# Altium PCB Version_2.PcbDoc (part 3 of 6)
Units mil, origin at the board's own origin, x right, y up, seen from the top; angles counter-clockwise.
Board outline 6692.91 x 6692.91 mil, 4 copper layers (Component Side, Ground Plane, Power, Solder Side), stack 33.234 mil thick; 798 components, 528 nets, 2533 pads, 836 vias.
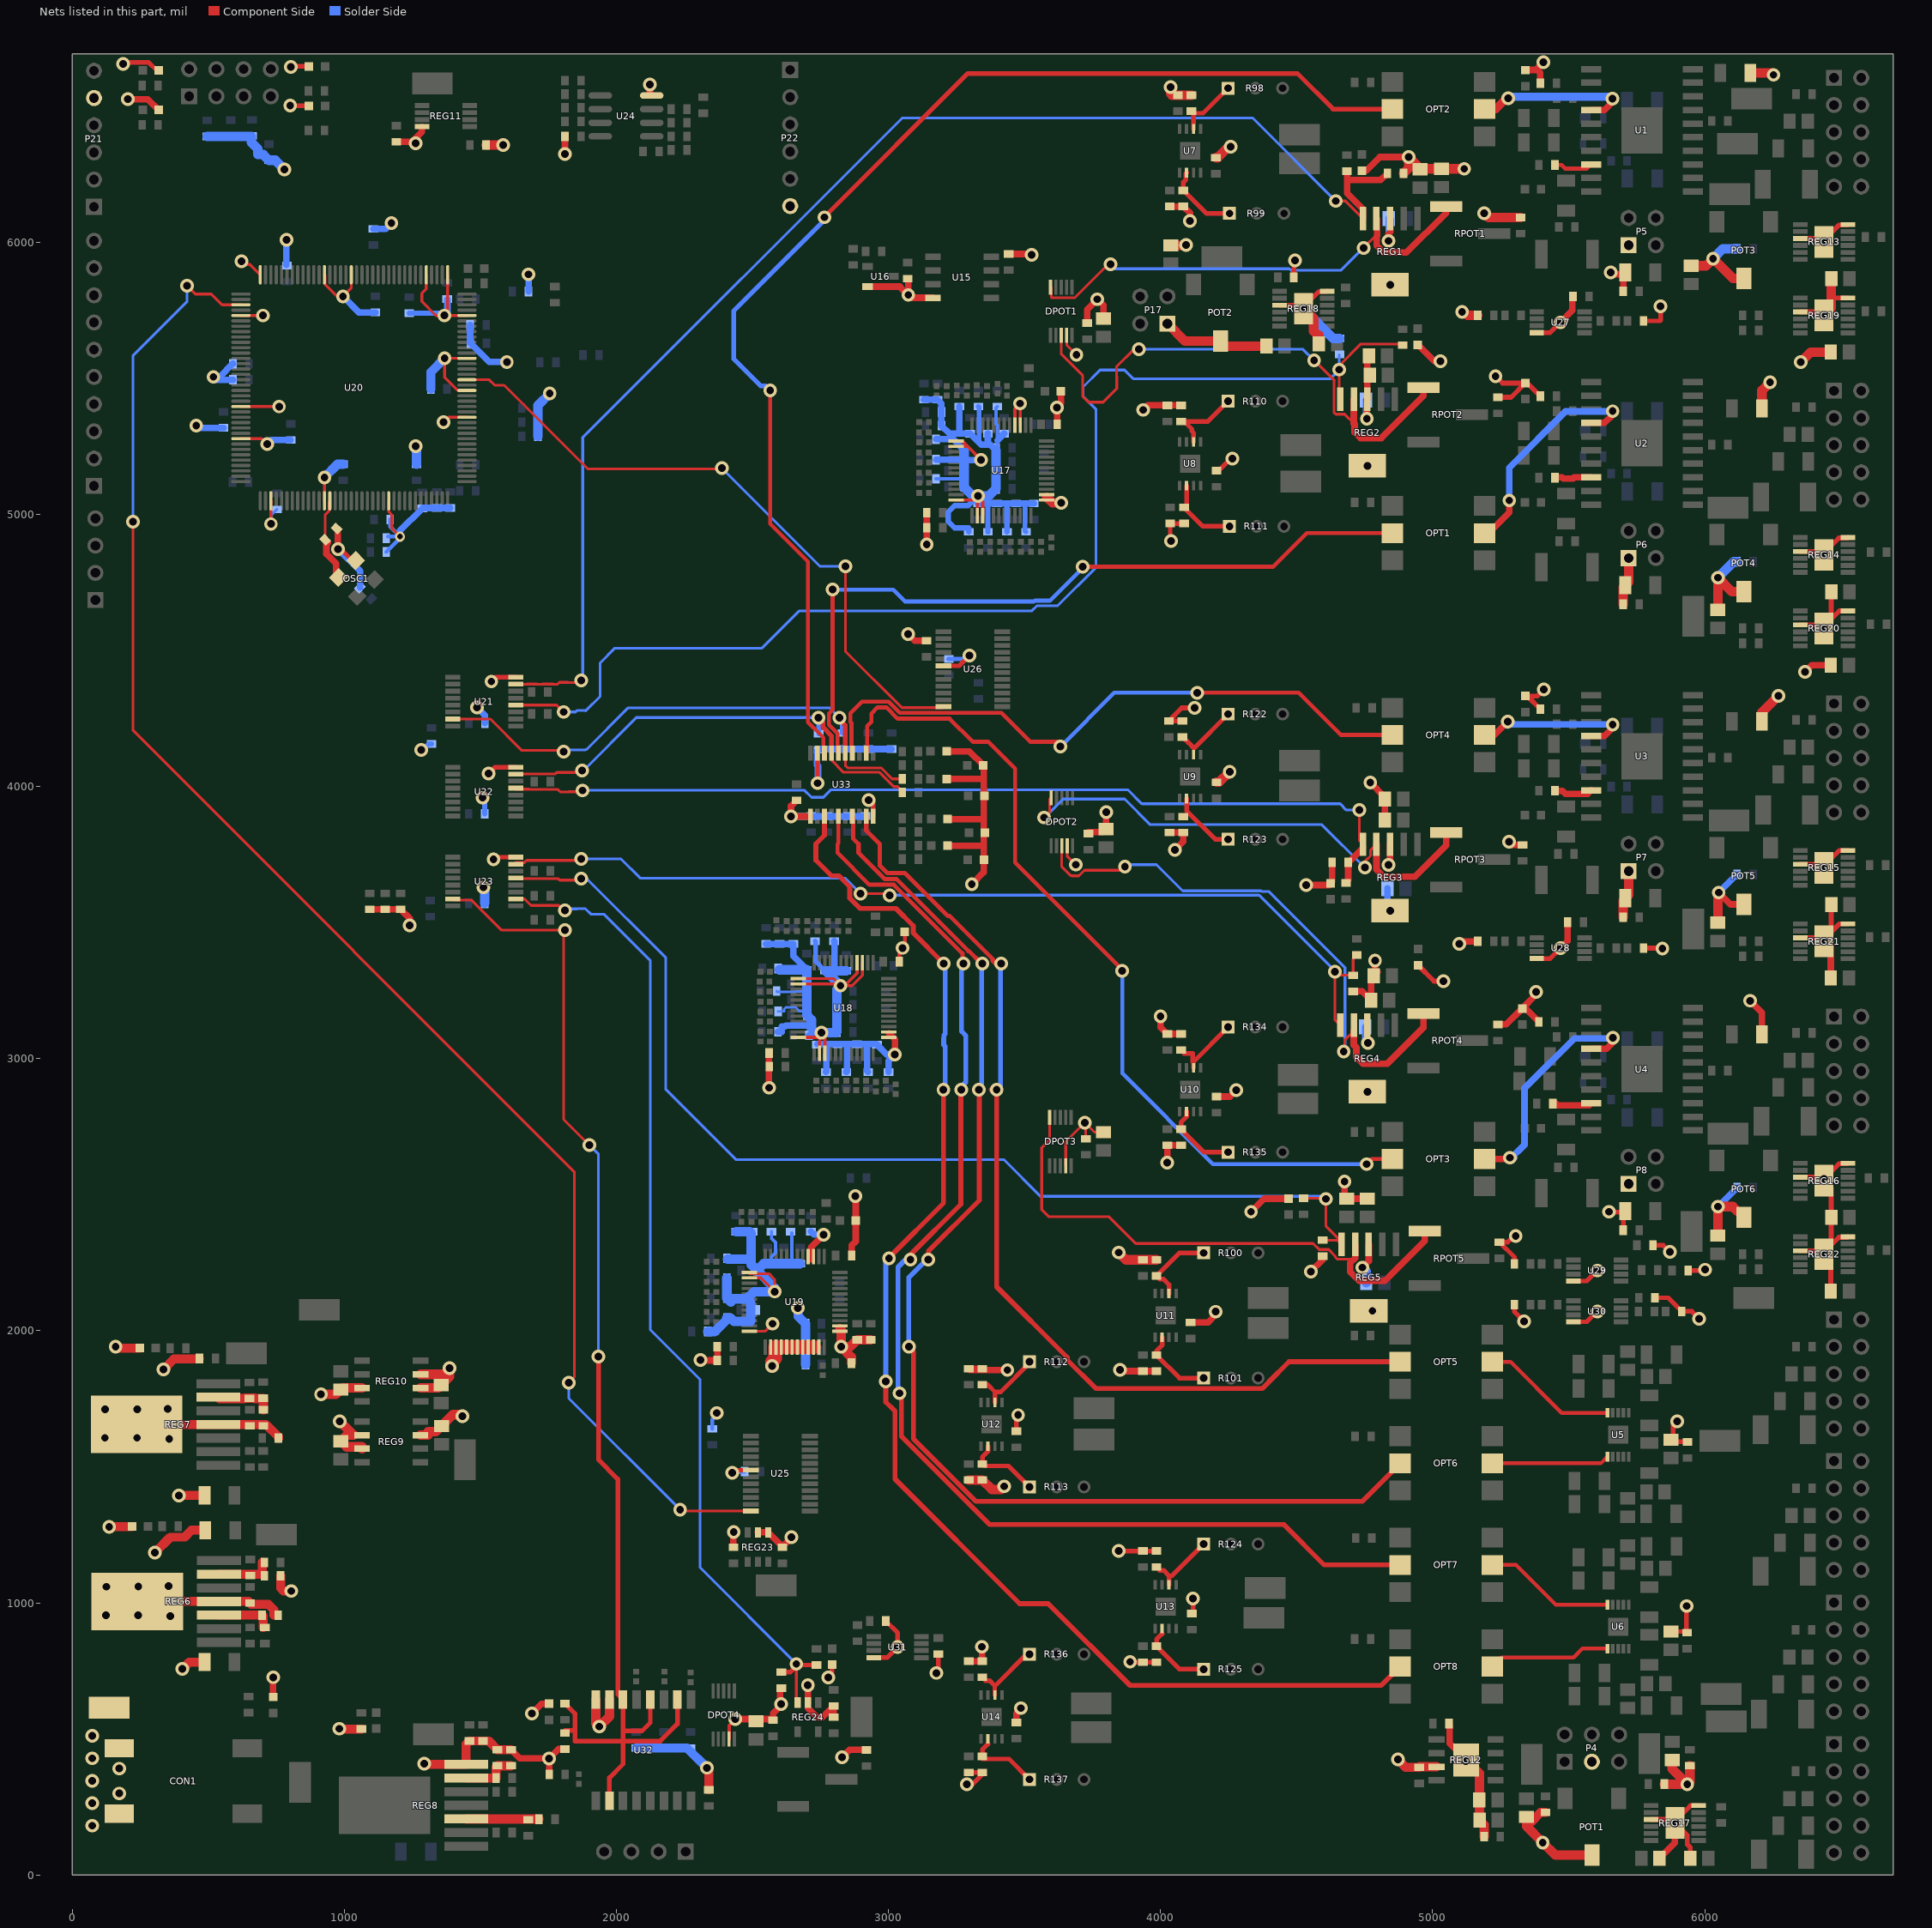
[diagram p5: the nets of this part, all layers, seen from the top]

## Via types
v1: diameter 50, hole 28, Component Side to Solder Side, 831 vias
v2: diameter 50/50/50 (per signal layer), hole 28, Component Side to Solder Side, 4 vias
v3: diameter 37.4, hole 19.68, Component Side to Solder Side, 1 vias

## Nets (pads, with @x,y where several pads share a name; then routed paths per layer and width w, separated by ;. In a path a pad name is that pad's centre, name@x,y a point inside that pad or via, vN(x,y) a via of type N, cw(c..) or ccw(c..) an arc to the next point about the centre after c; other vN are vias at no path point) (continued)
EN7: R194.1 R284.1 U21.15 U33.15 | length 1995.1
  Component Side w10: U21.15@1397.9,4247.76 1536.96,4247.76 1652.41,4132.31 v1@1801.58,4132.31 ; U33.15@2841.54,4123.03 2841.54,4076.82 2850.39,4067.96 2973.39,4067.96 3013.23,4028.13 R284.1@3050.71,4028.13
  Component Side w17: v1(2820.03,4252.14) 2820.03,4245.99 2841.54,4224.48 U33.15@2841.54,4123.03
  Solder Side w10: v1@1814.1,4135.79 1815.1,4134.79 1886.01,4134.79 1887.01,4135.79 1890.6,4135.79 2043.94,4289.13 2783.04,4289.13 v1(2820.03,4252.14)
  Solder Side w18: R194.1@2831.03,4196.67 v1@2831.03,4241.14
  other v1: 1806.1,4127.79
EN8: R199.1 R285.1 U22.7 U33.17 | length 1705.5
  Component Side w10: U22.7@1630.18,4045.14 1630.18,4046.43 1775.23,4046.43 1780.54,4051.75 1870.06,4051.75 v1@1871.06,4050.75 ; U33.17@2790.35,4096.65 2835.04,4051.96 2966.76,4051.96 3019.31,3999.41 3033.09,3999.41 3048.96,3983.54 3048.96,3978.13 R285.1@3050.71,3978.13
  Component Side w17: v1(2742.03,4252.14) 2759.53,4234.64 2759.53,4217.24 2790.35,4186.41 U33.17@2790.35,4123.03
  Solder Side w10: v1@1879.06,4058.75 2073.43,4253.13 v1@2741.04,4253.13
  Solder Side w18: R199.1@2743.32,4194.37 v1@2743.33,4250.85
  other v1: 1874.06,4058.75
EN9: R204.1 R286.1 REG1.5 U21.7 | length 4998.1
  Component Side w10: U21.7@1630.18,4375.71 1670.19,4375.71 1670.64,4376.16 1707.31,4376.16 1707.76,4375.71 1729.25,4375.71 1729.7,4376.16 1766.37,4376.16 1766.81,4375.71 1784.11,4375.71 1791.19,4382.79 1821.01,4382.79 1822.36,4381.44 1867.76,4381.44 v1@1868.1,4381.79 ; v1(4643.7,6151.57) 4679.43,6151.57 REG1.5@4743.55,6087.46
  Component Side w24: R286.1@4685.24,6260.96 4685.24,6228.35 ; REG1.5@4743.55,6087.46 4743.55,6121.61 4685.24,6179.92 4685.24,6228.35 ; R204.1@4833.66,6252.95 4809.06,6228.35 4685.24,6228.35
  Solder Side w10: v1@1876.1,4389.79 1876.1,5282.59 3050.21,6456.69 4338.58,6456.69 v1(4643.7,6151.57)
  other v1: 1871.1,4389.79
EN10: R209.1 R287.1 REG2.5 U21.4 | length 4549
  Component Side w10: U21.4@1630.18,4298.94 1780.41,4298.94 1784.56,4294.79 1785.1,4294.79 v1(1806.1,4273.79) ; REG2.5@4656.5,5426.2 4656.5,5546.26 4736.22,5625.98 R287.1@4885.69,5625.98
  Solder Side w10: v1(1806.1,4273.79) 1850.19,4273.79 1856.19,4279.79 1886.01,4279.79 1887.31,4278.49 1939.96,4331.15 1939.96,4454.1 1994.28,4508.43 2534.99,4508.43 2671.25,4644.68 3525.81,4644.68 3545.3,4664.18 3621.59,4664.18 3763.04,4805.63 3763.04,5385.75 3715.18,5433.6 3715.18,5468.14 3777.56,5530.51 3867.4,5530.51 3899.46,5498.45 3929.28,5498.45 3929.33,5498.49 4185.24,5498.49 4185.28,5498.45 4624.43,5498.45 v1@4656.5,5530.51 ; R209.1@4656.5,5585.63 4656.72,5585.4 v1(4656.72,5531.77)
EN11: R214.1 R288.1 REG3.5 U22.5 | length 3415.2
  Component Side w10: U22.5@1630.18,3993.96 1630.18,3990 1678.5,3990 1679.5,3989 1784.89,3989 1794.14,3979.75 1823.97,3979.75 1824.97,3980.75 v2@1874.06,3980.75 ; 4730.32,3800.69 v1(4730.32,3913.39)
  Component Side w24: R288.1@4689.77,3655.53 R214.1@4689.77,3720.96 REG3.5@4743.55,3774.74
  Solder Side w10: v2(1875.09,3985.43) 1876.08,3985.43 1876.39,3985.74 2691.7,3985.74 2717.44,3960.01 2760.85,3960.01 2788.8,3987.96 3879.14,3987.96 3930.83,3936.28 4660.05,3936.28 4682.94,3913.39 v1(4730.32,3913.39)
EN12: R219.1 R289.1 REG4.5 U23.7 | length 3527.3
  Component Side w10: U23.7@1630.18,3714.57 1630.18,3720.3 1662.3,3720.3 1670.1,3728.11 1865.94,3728.11 v1@1868.1,3725.94 ; v1(2897.64,3606.3) 2998.03,3606.3 v1(3003.94,3600.39) ; v1(4640.97,3319.06) 4640.97,3141.73 REG4.5@4660.24,3122.46 ; v1@4656.5,3306.1 R219.1@4707.68,3306.1 4707.68,3367.13 R289.1@4721.46,3380.91
  Solder Side w10: v1(1871.1,3733.94) 2017.04,3733.94 2088.58,3662.4 2841.54,3662.4 v1(2897.64,3606.3) ; v1(3003.94,3600.39) 4362.2,3600.39 4640.97,3321.62 v1(4640.97,3319.06)
EN13: R224.1 R290.1 REG5.5 U23.5 | length 4097.8
  Component Side w10: U23.5@1632.62,3660.94 1786.61,3660.94 1791.61,3655.94 1871.1,3655.94 v2@1876.1,3660.94 ; R290.1@4525.59,2486.79 v1@4604.74,2486.79 ; R224.1@4595.47,2332.68 4650.02,2332.68 REG5.5@4665.24,2317.46 ; v1(4607.28,2484.25) 4607.28,2385.49 REG5.5@4670.28,2322.5
  Solder Side w10: v2(1871.1,3660.94) 1891.18,3660.94 2181.61,3370.52 2181.61,2886.55 2439.22,2628.94 3423.5,2628.94 3558.34,2494.09 4597.44,2494.09 v1(4607.28,2484.25)
EN15: R317.2 R318.1 REG6.3 | length 205.5
  Component Side w34: REG6.3@539.37,954.92 697.64,954.92 R318.1@697.83,954.72 701.77,950.79 R317.2@701.77,909.45
EN-5: R321.2 R322.1 REG8.3 | length 266.5
  Component Side w35: REG8.3@1447.84,205.96 R322.1@1714.31,205.96
EN_RESET1: R229.1 R291.1 REG24.3 U23.2 | length 3673.6
  Component Side w10: U23.2@1630.18,3586.61 1662.59,3586.61 1686.21,3562.99 1788.06,3562.99 v1@1806.1,3544.94 ; REG24.3@2661.42,637.8 v1@2661.42,767.72 ; v1@2661.42,771.65 v1(2661.42,775.59)
  Component Side w17: R229.1@2606.3,745.08 2638.78,745.08 2661.42,767.72 2665.35,771.65 R291.1@2735.24,771.65
  Solder Side w10: v1@1806.1,3544.94 1811.1,3549.94 1855.19,3549.94 1856.19,3550.94 1886.01,3550.94 1906.01,3530.94 1953.3,3530.94 2125,3359.24 2125,2002.95 2307.34,1820.61 2307.34,1129.67 v1(2661.42,775.59)
  other v1: 1811.1,3544.94
EN_RESET2: R234.1 R292.1 U23.15 U32.2 U32.4 U32.6 U32.10 | length 4639.6
  Component Side w10: U23.15@1402.49,3582.02 1468.44,3582.02 1578.58,3471.89 1670.99,3471.89 1671.05,3471.94 1806.1,3471.94 1806.1,2776.57 v1(1900.59,2682.09)
  Component Side w17: R234.1@1811.02,530.51 1847.44,530.51 ; R292.1@1811.02,629.92 1847.44,593.5 1847.44,492.13 2024.41,492.13 ; v1(1934.06,1905.51) 1934.06,1526.03 2005.27,1454.81 2005.27,663.82 U32.6@2022.64,646.46 ; U32.10@1974.41,272.64 1974.41,357.28 2024.41,407.28 2024.41,492.13 ; U32.6@2024.41,644.68 2024.41,536.42 ; U32.4@2124.41,644.68 2124.41,559.45 2094.49,529.53 2031.3,529.53 2024.41,536.42 ; U32.2@2224.41,644.68 2224.41,555.12 2161.42,492.13 2024.41,492.13 ; 2024.41,492.13 2024.41,536.42
  Solder Side w10: v1(1900.59,2682.09) 1934.06,2648.62 v1(1934.06,1905.51)
  other v1: 1811.1,3471.94
ENE1: OPT2.5 U1.4 | length 611.2
  Component Side w24: U1.4@5582.48,6485.96 5631.93,6485.96 5662.68,6516.71 5660.71,6518.68 v1(5660.71,6527.88)
  Component Side w30: OPT2.5@5190.24,6489.27 5232.38,6489.27 5271.65,6528.54 v1(5277.56,6528.54)
  Solder Side w30: v1(5277.56,6528.54) 5283.46,6534.45 5667.92,6534.45 5661.35,6527.88 v1(5660.71,6527.88)
ENE2: OPT1.5 U2.4 | length 859.8
  Component Side w24: OPT1.5@5190.24,4930.96 5205.57,4930.96 5281.5,5006.89 v1(5281.5,5051.18) ; U2.4@5582.48,5335.96 5631.93,5335.96 5662.68,5366.71 5661.69,5367.69 v1(5661.69,5379.2)
  Solder Side w24: v1(5281.5,5051.18) 5281.5,5171.26 5488.45,5378.22 5661.69,5378.22 v1(5661.69,5379.2)
ENE3: OPT4.5 U3.4 | length 622.7
  Component Side w24: OPT4.5@5190.24,4189.27 5226.67,4189.27 v1(5275.59,4238.19) ; U3.4@5582.48,4185.96 5631.93,4185.96 5662.68,4216.71 5662.68,4228.55 v1(5661.69,4227.57)
  Solder Side w24: v1(5275.59,4238.19) 5275.59,4223.43 5271.45,4227.57 v1(5661.69,4227.57)
ENE4: OPT3.5 U4.4 | length 906.3
  Component Side w24: OPT3.5@5190.24,2630.96 5279.58,2630.96 v1(5284.45,2635.83) ; U4.4@5582.48,3035.96 5639.31,3035.96 5663.66,3060.32 5662.68,3061.3 v1(5662.68,3076.92)
  Solder Side w24: v1@5283.46,2628.94 5337.6,2683.07 5337.6,2890.65 5521.14,3074.2 5659.96,3074.2 v1(5662.68,3076.92) ; v1(5284.45,2635.83) v1@5299.86,2635.83
ENE5: OPT5.5 U5.5 | length 500.5
  Component Side w14: OPT5.5@5219.53,1885.96 5286.28,1885.96 5474.33,1697.92 U5.5@5642.1,1697.92
ENE6: OPT6.5 U5.6 | length 432.7
  Component Side w14: OPT6.5@5219.53,1512.63 5617.91,1512.63 5617.91,1512.74 U5.6@5642.1,1536.93
ENE7: OPT7.5 U6.5 | length 483.2
  Component Side w14: OPT7.5@5219.53,1139.3 5306.39,1139.3 5452.77,992.92 U6.5@5642.1,992.92
ENE8: OPT8.5 U6.6 | length 449.9
  Component Side w14: OPT8.5@5219.53,765.96 5252.78,799.21 5517.9,799.21 5550.62,831.93 U6.6@5642.1,831.93
ENO1: OPT2.2 U33.18 | length 4620.4
  Component Side w14: v1(2565.09,5454.99) 2565.09,4965.21 2704.02,4826.28 2704.02,4236.41 2726.29,4214.14 2726.8,4214.14 2761.03,4179.91 2761.03,4126.76 U33.18@2764.76,4123.03
  Component Side w17: v1(2764.76,6091.54) 2762.63,6091.54 3291.34,6620.24 4502.79,6620.24 4633.76,6489.27 OPT2.2@4851.66,6489.27
  Solder Side w17: v1(2565.09,5454.99) 2548.59,5471.49 2530.73,5471.49 2430.72,5571.5 2430.72,5747.12 2764.76,6081.16 v1(2764.76,6091.54)
ENO2: OPT1.2 U33.16 | length 2798.5
  Component Side w15: v1(2794.29,4723.43) 2794.29,4280.86 2781.53,4268.09 2781.53,4226.35 2812.71,4195.16 U33.16@2812.71,4126.26 ; v1(3713.58,4807.09) 4413.39,4807.09 4537.26,4930.96 OPT1.2@4851.66,4930.96
  Solder Side w15: v1(2794.29,4723.43) 3017.72,4723.43 3061.02,4680.12 3535.08,4680.12 3537.64,4682.68 3593.11,4682.68 3715.55,4805.12 v1(3713.58,4807.09)
ENO3: OPT4.2 U33.14 | length 2371.1
  Component Side w15: U33.14@2863.89,4126.26 2863.89,4233.23 2860.12,4237.01 2860.12,4268.9 2902.87,4311.64 3000.67,4311.64 3041.98,4270.34 3414.99,4270.34 3520.86,4164.46 3619.99,4164.46 3632.07,4152.38 v1(3632.07,4146.86) ; v1(4134.84,4344.49) 4507.87,4344.49 4663.09,4189.27 OPT4.2@4851.66,4189.27
  Solder Side w15: v1(3632.07,4146.86) 3829.7,4344.49 v1(4134.84,4344.49)
ENO4: OPT3.2 U33.12 | length 3204.5
  Component Side w15: U33.12@2918.31,4123.03 2921.54,4126.27 2921.54,4221.42 2937.12,4237.01 2937.12,4267.69 2960.08,4290.64 2991.97,4290.64 3033.28,4249.34 3224.76,4249.34 3309.77,4164.33 3309.89,4164.45 3366.06,4164.45 3465.55,4064.96 3465.55,3720.47 3859.25,3326.77 v1(3859.25,3322.83) ; v1(4756.89,2612.2) 4775.65,2630.96 OPT3.2@4851.66,2630.96
  Solder Side w15: v1(3859.25,3322.83) 3859.25,2945.87 4192.91,2612.2 v1(4756.89,2612.2)
ENO5: OPT5.2 U33.9 | length 3683.1
  Component Side w16: U33.9@2918.31,3890.75 2918.31,3838.02 2968.03,3788.3 2968.03,3709.1 2994.73,3682.39 3059.7,3682.39 3218.51,3523.57 3225.53,3523.57 3383.54,3365.56 3383.54,3358.55 3392.68,3349.41 v1@3410.93,3349.41
  Component Side w18: v1@3377.13,2885.97 3397.64,2865.46 3397.64,2161.49 3657.17,1901.96 3657.17,1892.72 3762.55,1787.34 4374.54,1787.34 4397.17,1809.96 4397.17,1811.38 4471.75,1885.96 OPT5.2@4880.95,1885.96
  Solder Side w18: v1@3411.58,2885.01 v1@3411.58,3351.54
  other v1: 3397.56,2885.97 3413.93,3349.41
ENO6: OPT6.2 U33.7 | length 4567.4
  Component Side w16: U33.7@2867.13,3890.75 2869.72,3888.16 2869.72,3808.61 2890.03,3788.3 2890.03,3755.99 2985.62,3660.39 3028.79,3660.39 3293.65,3395.54 3295.41,3395.54 v1@3341.54,3349.41
  Component Side w18: v1(3074.8,1940.94) 3091.54,1924.21 3091.54,1602.43 3320.93,1373.03 4741.35,1373.03 OPT6.2@4880.95,1512.63 ; v1(3146.65,2260.83) 3146.65,2292.32 3333.66,2479.33 3333.66,2874.32 v1@3322.01,2885.97
  Solder Side w18: v1(3074.8,1940.94) 3074.8,2196.17 v1@3139.46,2260.83 ; v1@3322.01,2879.76 3322.01,2885.97 3342.52,2906.47 v1@3342.52,3332.68
  other v1: 3332.35,2885.97 3344.54,3349.41
ENO7: OPT7.2 U33.5 | length 4691.1
  Component Side w15: U33.5@2815.94,3890.75 2815.94,3791.51 2812.53,3788.09 2812.53,3756.2 2929.83,3638.89 3019.88,3638.89 3272.15,3386.63 v1@3272.15,3349.41
  Component Side w18: v1(3040.97,1770.25) 3047.82,1763.4 3047.82,1612.2 3372.62,1287.4 4453.74,1287.4 4601.85,1139.3 OPT7.2@4880.95,1139.3 ; v1(3080.71,2260.83) 3080.71,2279.53 3265.75,2464.57 3265.75,2877.27 v1@3257.05,2885.97
  Solder Side w18: v1(3040.97,1770.25) 3035.8,1775.41 3035.8,1794.63 3034.8,1795.63 3034.8,2233.62 3062.01,2260.83 v1(3080.71,2260.83) ; v1@3257.05,2885.97 3284.25,2913.17 3284.25,3084.63 3268.7,3100.18 v1@3268.7,3345.96 ; v1@3258.86,3346.87 v1@3263.94,3351.95 ; v1@3265.91,3346.04 v1@3267.26,3347.4
  other v1: 3267.14,2885.97 3275.15,3349.41
ENO8: OPT8.2 U33.3 | length 5072.6
  Component Side w18: U33.3@2764.76,3890.75 2764.76,3820.45 2733.03,3788.71 2733.03,3728.63 2789.69,3671.96 2817.43,3671.96 2857.64,3631.76 2857.64,3589.73 2895.54,3551.83 3027.08,3551.83 3090.99,3487.92 3090.99,3461.67 3204.72,3347.93 v1@3204.72,3350.89 ; v1(2990.16,1813.98) 2990.16,1738.19 3023.82,1704.53 3023.82,1455.05 3481.82,997.05 3587.08,997.05 3887.79,696.34 4811.32,696.34 OPT8.2@4880.95,765.96 ; v1(3001.97,2265.75) 3001.97,2268.7 3202.56,2469.29 3202.56,2885.34 v1(3201.93,2885.97)
  Solder Side w18: v1(2990.16,1813.98) 2990.16,2253.94 v1@2998.03,2261.81 ; v1(3201.93,2885.97) 3201.93,2880.75 3208.66,2874.02 3208.66,3044.81 3203.09,3050.38 3203.09,3073.68 3203.54,3074.13 3203.54,3085.9 3208.66,3091.02 3208.66,3343.5 v1(3202.76,3349.41)
EOC1: U20.56 U26.24 | length 2439.5
  Component Side w10: U20.56@1450.67,5494.53 1532.69,5494.53 1552.97,5474.24 1587.4,5474.24 1894.35,5167.29 2385.66,5167.29 v1(2387.91,5169.54) v1@2387.91,5161.3 ; v1(2841.54,4809.06) 2841.54,4496.94 3048.93,4289.55 U26.24@3198.06,4289.55
  Solder Side w10: v1(2387.91,5169.54) 2387.91,5169.44 2748.3,4809.06 v1(2841.54,4809.06)
EOC2: U20.111 U25.24 | length 5937.2
  Component Side w10: v1(222.9,4972.9) 222.9,4208.23 223.65,4207.48 223.65,4205.52 1845.24,2583.94 1845.24,1829.49 v1(1824.89,1809.14) 1827.76,1806.28 v1@1827.76,1791.34 ; v1(422.24,5839.57) 452.5,5809.31 511.55,5809.31 550.74,5770.12 U20.111@619.96,5770.12 ; v1(2234.25,1342.52) 2239.25,1337.52 U25.24@2494.33,1337.52
  Solder Side w10: v1(222.9,4972.9) 222.9,5582.67 422.24,5782.01 v1(422.24,5839.57) ; v1(1824.89,1809.14) 1824.89,1751.88 v1(2234.25,1342.52)
FB1: DPOT1.10 REG1.4 RPOT1.1 | length 1790.5
  Component Side w10: DPOT1.10@3595.87,5834.54 3598.65,5834.54 3598.65,5795.99 3685.07,5795.99 v1@3808.38,5919.29 ; v1(4746.06,5979.33) 4793.55,6026.81
  Component Side w24: REG1.4@4795.83,6085.17 4795.83,6023.97 4794.6,6022.73 4794.6,5987.11 4819.79,5961.92 4903.85,5961.92 5049.97,6108.04 RPOT1.1@5049.97,6130.95
  Solder Side w10: v1(3815.94,5919.29) 3832.68,5902.56 4473.69,5902.56 4479.18,5897.07 4663.8,5897.07 v1(4746.06,5979.33)
FB2: DPOT1.3 REG2.4 RPOT2.1 | length 2048.9
  Component Side w10: DPOT1.3@3635.24,5657.38 3635.24,5588.19 3714.18,5509.24 3714.18,5433.19 3735.27,5412.1 3789,5412.1 3839.13,5462.23 3839.13,5505.64 3838.15,5506.62 3838.15,5542.87 3901.85,5606.57 v1(3920.47,5606.57) ; v1(4564.2,5566.22) 4638.43,5491.99 4637.43,5490.99 4637.43,5374.6 4643.87,5368.15 4676.29,5368.15 4710.24,5334.2
  Component Side w24: 4710.24,5334.2 REG2.4@4710.24,5422.46 ; 4713.15,5331.29 4713.15,5301.61 4734.25,5280.51 4812.01,5280.51 4966.66,5435.16 RPOT2.1@4966.66,5465.95
  Solder Side w10: v1(3920.47,5606.57) 4523.84,5606.57 v1(4564.2,5566.22)
FB3: DPOT2.10 REG3.4 RPOT3.1 | length 1927.3
  Component Side w10: v1(3572.02,3886.02) 3592.86,3906.85 3592.86,3953.78 DPOT2.10@3597.64,3958.56 ; v1(4750.98,3701.77) 4750.98,3725.64 4758.5,3733.15 4759.91,3733.15 4771.65,3744.9 4771.65,3765.57 REG3.4@4793.55,3787.46
  Component Side w24: REG3.4@4793.55,3787.46 4793.55,3694.93 4819.87,3668.61 4935.35,3668.61 5049.97,3783.23 RPOT3.1@5049.97,3830.95
  Solder Side w10: 3591.29,3903.31 3641.72,3953.74 3868.11,3953.74 3962.17,3859.68 4593.07,3859.68 v1(4750.98,3701.77)
FB4: DPOT2.3 REG4.4 RPOT4.1 | length 2173.8
  Component Side w10: DPOT2.3@3637.01,3781.4 3637.01,3705.22 3669.25,3672.99 3671.59,3672.99 3672.88,3671.69 3699.54,3671.69 3720.04,3692.2 3851.05,3692.2 v1@3873.42,3714.57 ; v1(4673.23,3025.59) 4676.61,3028.97 4676.61,3068.15 REG4.4@4710.24,3101.79
  Component Side w24: REG4.4@4710.24,3101.79 4710.24,3049.58 4719.55,3040.27 4719.55,3005.48 4744.26,2980.77 4833.13,2980.77 4966.66,3114.3 RPOT4.1@4966.66,3165.95
  Solder Side w10: v1@3871.47,3712.62 3984.79,3712.62 4081.01,3616.39 4368.83,3616.39 4370.83,3614.39 4397.7,3614.39 4677.7,3334.39 4677.7,3030.06 v1(4673.23,3025.59)
  other v1: 3868.99,3705.71
FB5: C101.2 R325.1 R329.2 REG7.6 | length 209.1
  Component Side w35: REG7.6@537.4,1755.51 541.93,1750.98 634.93,1750.98 635.58,1751.63 669.54,1751.63 670.19,1750.98 702.76,1750.98 R329.2@702.76,1709.65
FB15: C100.2 R324.1 R328.2 REG6.6 | length 199.9
  Component Side w34: REG6.6@539.37,1104.92 693.31,1104.92 698.82,1110.43 R324.1@698.82,1148.62
FB-5: C102.2 R326.1 R330.2 REG8.6 | length 207.6
  Component Side w34: REG8.6@1447.84,355.96 R330.2@1558.11,355.96 1558.11,396.91 R326.1@1562.64,401.43 C102.2@1612.64,401.43
FBR: DPOT3.10 REG5.4 RPOT5.1 | length 2066.4
  Component Side w10: DPOT3.10@3592.64,2783.56 3592.64,2702.13 3562.99,2672.48 3562.99,2445.15 3589.42,2418.72 3810.68,2418.72 3908.82,2320.58 4560.51,2320.58 4582.7,2298.4 4617.75,2298.4 4642.43,2273.72 4642.43,2269.6 4648.87,2263.15 4707,2263.15
  Component Side w24: REG5.4@4715.24,2317.46 4715.24,2267.4 4696.85,2249.02 4696.85,2216.75 4730.53,2183.07 4824.8,2183.07 4971.66,2329.93 RPOT5.1@4971.66,2365.95
GCLK: C93.1 OSC1.3 U20.14 | length 314.5
  Component Side w10: C93.1@929.91,4906.29 929.91,4999.07 943.95,5013.12 943.95,5046.87 U20.14@946.73,5049.65 ; OSC1.3@969.9,4783.46 OSC1.3@970.47,4783.46
  Component Side w24: C93.1@929.91,4906.29 940.35,4895.84 934.36,4895.84 934.36,4854.24 969.9,4818.7 OSC1.3@969.9,4783.46 ; OSC1.3@978.35,4767.72 OSC1.3@978.35,4783.46
GND: C1.1 C2.1 C3.1 C4.1 C5.1 C6.1 C7.1 C8.1 C9.1 C10.1 C11.1 C12.1 C13.1 C14.1 C15.1 C16.1 C17.1 C18.1 C19.1 C20.1 C21.1 C22.1 C23.1 C24.2 C25.2 C26.1 C27.1 C28.2 C29.2 C30.1 C31.1 C32.2 C33.2 C34.1 C35.1 C36.2 C37.2 C38.2 C39.2 C40.1 C41.1 C42.1 C43.1 C44.1 C45.1 C46.1 C47.1 C48.1 C49.1 C50.2 C51.2 C52.2 C53.2 C54.2 C55.2 C56.2 C60.1 C61.2 C62.2 C63.2 C64.2 C65.2 C66.2 C67.2 C68.2 C69.2 C70.2 C71.2 C72.2 C73.2 C74.2 C75.2 C76.2 C77.2 C78.2 C79.2 C80.2 C81.1 C82.2 C83.2 C84.2 C85.2 C86.2 C87.2 C88.2 C89.2 C90.2 C91.2 C92.2 C93.2 C94.1 C95.1 C97.1 C98.1 C102.1 C103.2 C104.2 C105.1 C106.1 C107.2 C108.2 C109.2 C110.2 C111.2 C112.2 C113.2 C114.2 C115.2 C116.1 C117.1 C118.1 C119.1 C120.1 C121.1 C122.1 C123.1 C124.1 C125.1 C126.1 C127.1 C128.1 C129.1 C130.1 C131.1 C132.2 C133.2 C134.2 C135.2 C136.2 C137.2 C138.2 C139.2 C140.2 C141.2 C142.2 C143.2 C144.2 C145.2 C146.2 C147.2 C148.1 C149.1 C150.1 C151.2 C152.1 C153.2 C154.2 C155.2 C156.2 C157.2 C158.2 C159.2 C160.2 C161.2 C162.2 C163.2 C164.2 C165.2 C166.2 C167.2 C168.2 C169.2 C170.2 CON1.2 CON1.3 DPOT1.4 DPOT2.4 DPOT3.4 DPOT4.4 LED1.2 LED2.2 LED3.2 LED4.2 LED5V.2 LED9.2 LED10.2 LED11.2 LED12.2 LED13.2 LED14.2 LED15.2 LED15V.2 LED16.2 LED17.2 LED18.2 LED19.2 LED20.2 LED21.2 LED22.2 LED23.2 LED24.2 LED24V.2 LED25.2 LED26.2 LED27.2 LED28.2 LED29.2 LED30.2 OSC1.2 P4.3 P5.1 P6.1 P7.1 P8.1 P17.1 P21.5 P22.6 POT1.2 POT2.2 POT3.2 POT4.2 POT5.2 POT6.2 R9.1 R10.1 R11.1 R12.1 R13.1 R102.1 R103.1 R104.1 R105.1 R106.1 R107.1 R108.1 R109.1 R114.1 R115.1 R116.1 R117.1 R118.1 R119.1 R120.1 R121.1 R126.1 R127.1 R128.1 R129.1 R130.1 R131.1 R132.1 R133.1 R138.1 R139.1 R140.1 R141.1 R142.1 R143.1 R144.1 R145.1 R148.1 R149.1 R150.1 R151.1 R152.1 R157.1 R158.2 R159.2 R160.2 R161.2 R162.2 R163.2 R164.2 R165.2 R166.2 R167.2 R168.2 R169.2 R170.2 R171.2 R172.2 R173.2 R174.2 R175.2 R176.2 R177.2 R178.2 R179.2 R180.2 R181.2 R182.2 R183.2 R184.2 R185.2 R186.2 R187.2 R188.2 R189.2 R191.2 R192.2 R193.2 R194.2 R196.2 R197.2 R198.2 R199.2 R201.2 R202.2 R203.2 R204.2 R205.2 R206.2 R207.2 R208.2 R209.2 R210.2 R211.2 R212.2 R213.2 R214.2 R216.2 R217.2 R218.2 R219.2 R220.2 R221.2 R222.2 R223.2 R224.2 R225.2 R226.2 R227.2 R228.2 R229.2 R231.2 R232.2 R233.2 R234.2 R236.2 R237.2 R241.2 R242.2 R243.2 R246.2 R247.2 R248.2 R251.2 R252.2 R253.2 R257.2 R258.2 R262.2 R266.2 R270.2 R274.2 R277.2 R318.2 R320.2 R326.2 R327.1 R328.1 R329.1 R350.2 R352.2 R354.2 R356.2 R358.2 R360.2 R362.2 R364.2 R366.2 R367.1 R368.2 REG1.3 REG1.6 REG2.3 REG2.6 REG3.3 REG3.6 REG4.3 REG4.6 REG5.3 REG5.6 REG6.4 REG6.8 REG7.4 REG7.8 REG8.7 REG9.3 REG9.6 REG9.7 REG10.3 REG10.6 REG10.7 REG11.4 REG12.3 REG12.9 REG13.6 REG13.9 REG13.13 REG14.6 REG14.9 REG14.13 REG15.6 REG15.9 REG15.13 REG16.6 REG16.9 REG16.13 REG17.6 REG17.9 REG17.13 REG18.6 REG18.9 REG18.13 REG19.6 REG19.9 REG19.13 REG20.6 REG20.9 REG20.13 REG21.6 REG21.9 REG21.13 REG22.6 REG22.9 REG22.13 REG23.1 REG23.2 REG24.2 TP2.1 U15.4 U16.2 U17.1 U17.2 U17.12 U17.14 U17.15 U17.25 U17.26 U17.39 U17.40 U18.1 U18.2 U18.12 U18.14 U18.15 U18.25 U18.26 U18.39 U18.40 U19.1 U19.2 U19.12 U19.14 U19.15 U19.16 U19.17 U19.18 U19.19 U19.20 U19.21 U19.22 U19.23 U19.25 U19.26 U19.39 U19.40 U20.3 U20.13 U20.25 U20.49 U20.54 U20.60 U20.68 U20.73 U20.77 U20.91 U20.96 U20.108 U20.113 U20.130 U20.136 U21.8 U22.8 U23.8 U24.4 U25.18 U26.18 U27.4 U28.4 U29.4 U30.4 U31.4 U32.7 U32.8 U33.1 U33.10 U33.19 | length 40378.2